# Altium PCB MB1312.PcbDoc (part 3 of 4)
Units mil, origin at the board's own origin, x right, y up, seen from the top; angles counter-clockwise.
Board outline 2755.91 x 5249.6 mil, 6 copper layers (Top Layer, GND, Signal, PWR, GND (Mid2), Bottom Layer), stack 74.545 mil thick; 297 components, 280 nets, 1142 pads, 623 vias.
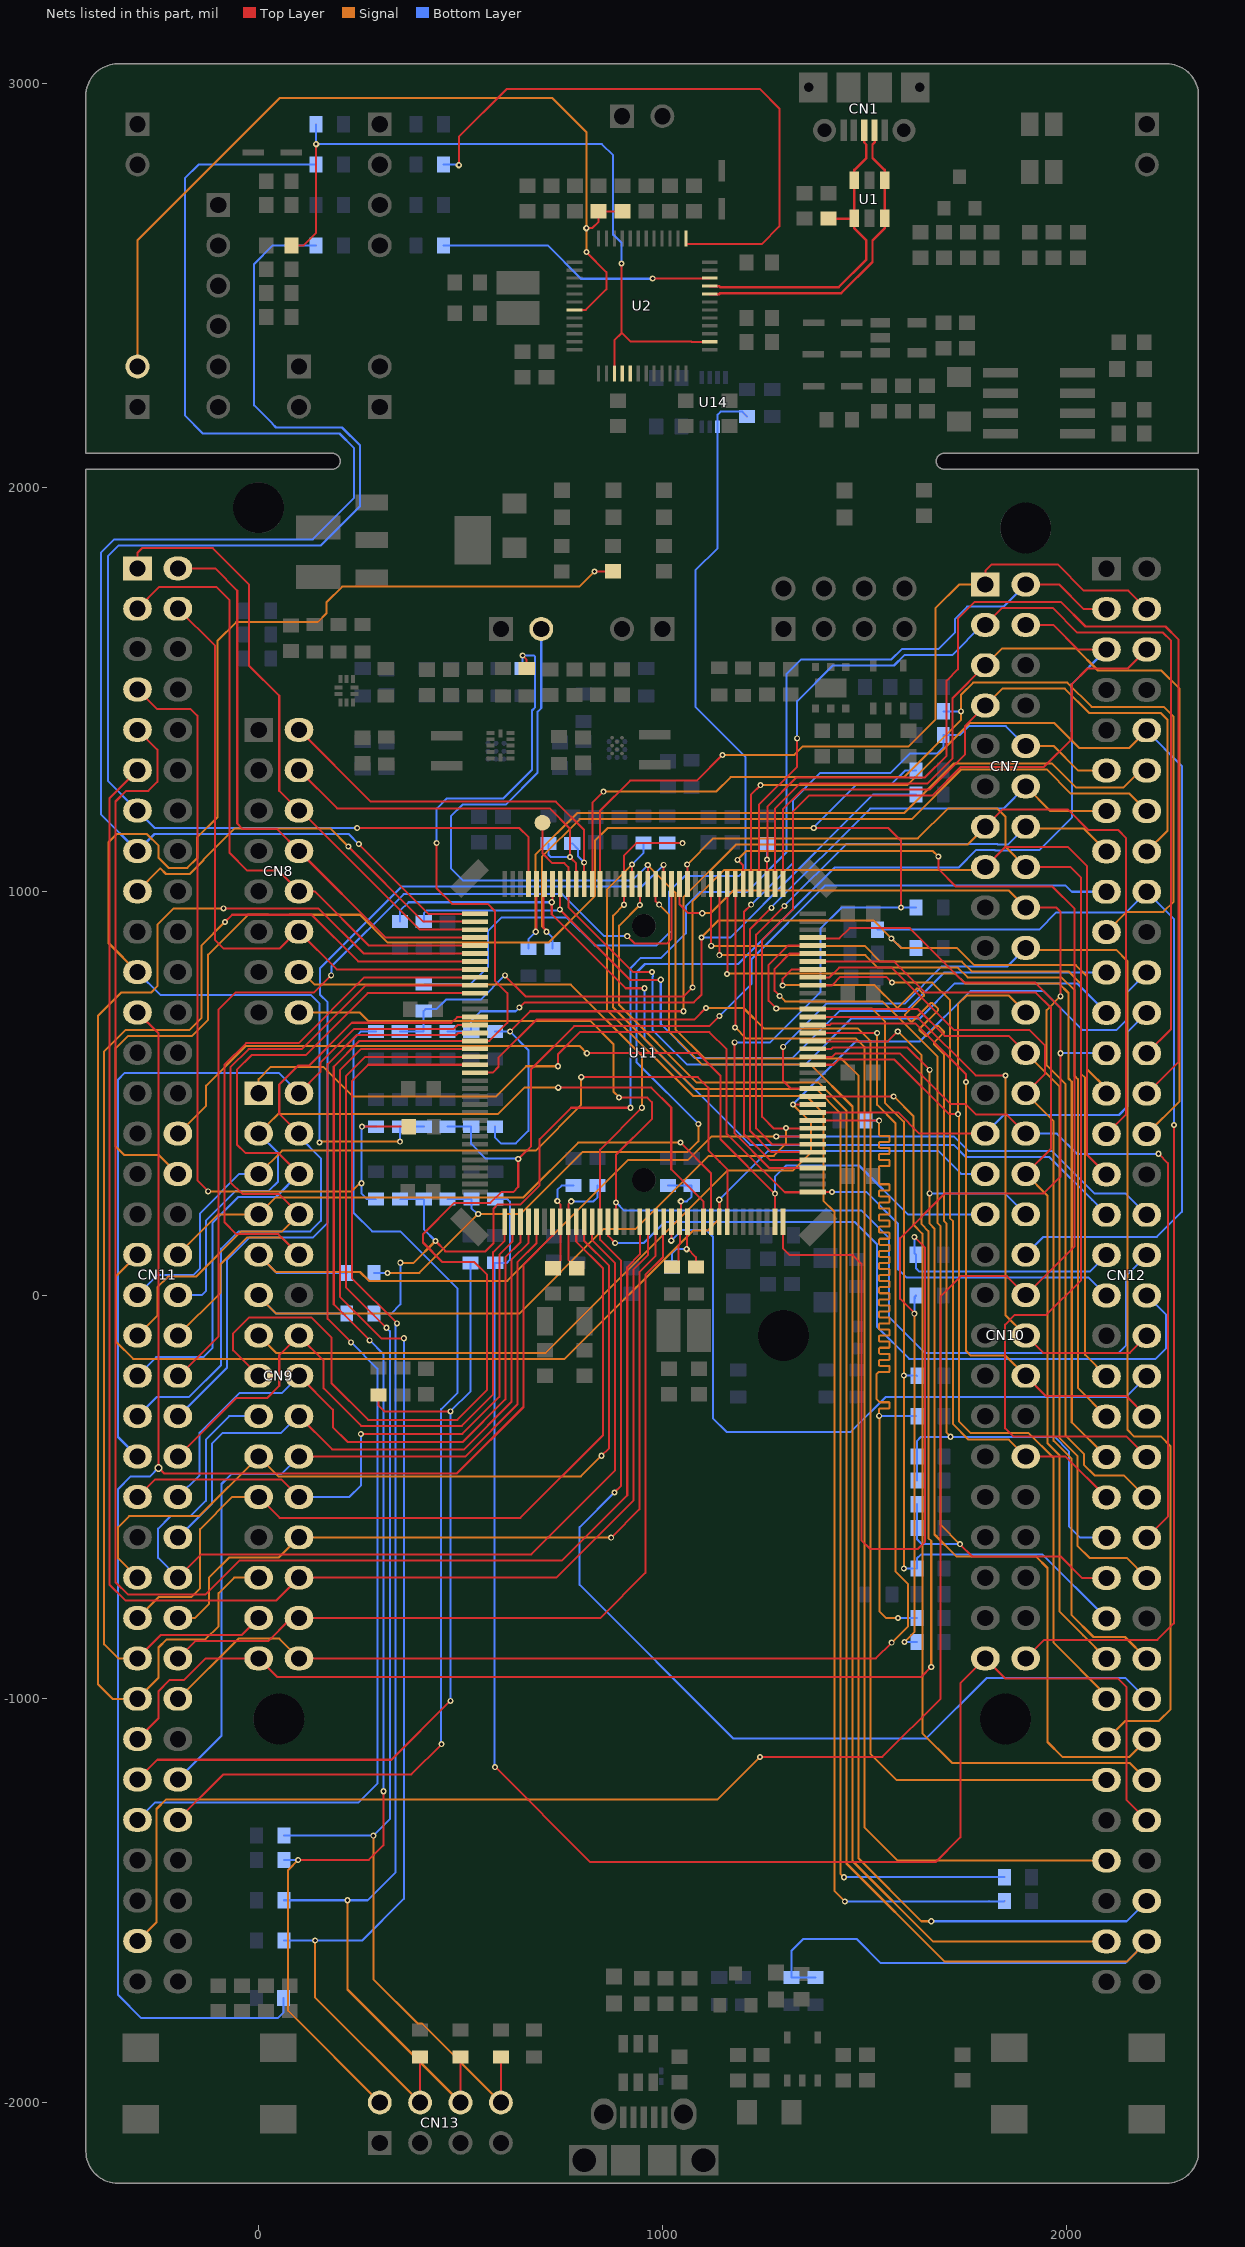
[diagram p7: the nets of this part, all layers, seen from the top]

## Via types
v1: diameter 15, hole 8, Top Layer to Bottom Layer, tented both sides, 405 vias
v2: diameter 16, hole 8, Top Layer to Bottom Layer, tented both sides, 179 vias
v3: diameter 20, hole 12, Top Layer to Bottom Layer, tented both sides, 39 vias

## Nets (pads, with @x,y where several pads share a name; then routed paths per layer and width w, separated by ;. In a path a pad name is that pad's centre, name@x,y a point inside that pad or via, vN(x,y) a via of type N, cw(c..) or ccw(c..) an arc to the next point about the centre after c; other vN are vias at no path point) (continued)
PA1: CN10.11 CN11.30 U11.35 | length 2548.5
  Top Layer w5: v2@813.19,600 1087,600 1144,543 1144,386 1278.71,251.3 v1(1278.71,251.1) ; 1270,259.61 v1@1278.51,251.1 ; U11.35@1278.8,181.69 1278.8,251.2 v1(1278.71,251.1) ; v1@1278.51,251.1 v1(1278.71,251.1) ; v1@1278.51,251.1 1278.61,251 v1(1278.71,251.1)
  Signal w5: CN11.30@-200,400 -199.04,400 -130,469.04 -130,518.57 -31.62,616.95 -25.15,616.95 795.24,616.95 v2(813.19,599)
  Bottom Layer w5: v1(1278.71,251.1) 1278.71,292.71 1307,321 1487,321 1608,200 CN10.11@1800,200
PA2: CN12.35 SB150.1 U11.36 | length 2473.3
  Top Layer w5: U11.36@1298.49,181.69 1298.49,115.92 1315.41,99 1472,99 1493,78 1493,-607 1515,-629 1633,-629 1651,-611 1651,117 v1(1624,144)
  Bottom Layer w5: v1(1624,144) 1624,104.25 SB150.1@1628.25,100 1628.25,66.75 1628.51,66.49 ; 1628.25,66.22 1636.5,57.97 2058.97,57.97 CN12.35@2100,99
PA3: CN9.1 CN12.37 U11.37 | length 2725.3
  Top Layer w5: v1(741.5,566.79) 741.5,597.03 795.85,651.38 1116.62,651.38 1159,609 1159,399.28 1303.59,254.7 1371.49,254.7 U11.37@1372.31,255.51 v1(1419.99,255.51) v1@1421,254.5
  Signal w5: CN9.1@0,500 0,535 30.47,565.47 160.53,565.47 234.27,491.73 587.73,491.73 662.79,566.79 v1(741.5,566.79) ; v1@743.25,565.04 v1@745,566.79
  Bottom Layer w5: v1(1419.99,255.51) 1504.49,255.51 1584,176 1584,63.97 1605,42.97 2056.03,42.97 CN12.37@2100,-1
PA4: CN11.32 SB126.1 SB133.1 U11.40 | length 4453.9
  Top Layer w5: v1(1179,626) 1179,400.5 1264.8,314.7 1372.18,314.7 U11.40@1372.31,314.57 ; v1(1375,1157) 1559,1157 1591,1125 v1(1591,960)
  Signal w5: CN11.32@-200,300 -247,347 -332.94,347 -354,368.06 -354,611.34 -323.31,642.03 -164.76,642.03 -125,681.79 -125,843 -25.97,942.03 23.31,942.03 ; 23.34,942 76.66,942 ; 76.69,942.03 250.97,942.03 320,873 717.87,873 833,988.13 833,1125.53 864.47,1157 v1(1375,1157)
  Bottom Layer w5: v1(1179,626) 1267,626 1391.25,750.25 1391.25,907.25 1444,960 v1(1591,960) SB133.1@1628.25,960 ; v1(1375,1157) 1375,1158.76 1480.24,1264 1566,1264 1601,1299 SB126.1@1628.25,1299
PA5: CN7.10 CN12.11 SB123.2 U11.41 | length 1989.7
  Top Layer w5: v1(1220,967) 1202.1,949.1 1202.1,398.86 1266.71,334.25 U11.41@1372.31,334.25
  Signal w5: CN7.10@1900,1360 1969,1360 2030,1299 CN12.11@2100,1299
  Bottom Layer w5: v1(1220,967) 1323,1070 1323,1225 1391.5,1293.5 1565.5,1293.5 1613,1341 1680,1341 1695.75,1356.75 SB123.2@1695.75,1387 1737,1387 1759,1409 1851,1409 CN7.10@1900,1360
PA6: CN7.12 CN12.13 U11.42 | length 1731.9
  Top Layer w5: v1(1270.13,959.13) 1217.1,906.1 1217.1,406.9 1270.06,353.94 U11.42@1372.31,353.94
  Signal w5: CN7.12@1900,1260 1961,1199 CN12.13@2100,1199
  Bottom Layer w5: v1(1270.13,959.13) 1270.13,960.42 1514.72,1205 1845,1205 CN7.12@1900,1260
PA7: CN7.14 CN12.15 U11.43 | length 1646.6
  Top Layer w5: v1(1302,964) 1303.28,964 1232.1,892.82 1232.1,413.11 1272.21,373 1372.31,373 U11.43@1372.31,373.62
  Signal w5: CN7.14@1900,1160 1900,1155.6 2043.4,1155.6 CN12.15@2100,1099
  Bottom Layer w5: v1(1302,964) 1455.03,1117.03 1829.53,1117.03 1830.05,1116.51 1856.51,1116.51 CN7.14@1900,1160
PA8: CN12.23 TP1.1 U11.100 | length 1944.9
  Top Layer w5: TP1.1@703,1170 703,1094 727,1070 757,1070 766.99,1060.01 U11.100@766.99,1018.31 766.99,961.01 928,800 v1(974,800)
  Bottom Layer w5: v1(974,800) 976.9,797.1 976.9,790.18 976,789.28 976,656.26 1061.26,571 1354,571 1468,685 1637.31,685 1724.31,772 2027,772 CN12.23@2100,699
PA9: CN12.21 SB135.2 U11.101 | length 2085.1
  Top Layer w5: U11.101@747.31,1018.31 746,1017 v1(746,955) 921,780 995,780 v1(996,781) v1@995,782
  Bottom Layer w5: SB135.2@409,925.75 409,946 416,953 744,953 v1(746,955) ; v1(996,781) 996,672 1080.9,587.1 1322.1,587.1 1439,704 1603.21,704 1698.21,799 CN12.21@2100,799
PA10: CN12.33 SB134.2 U11.102 | length 2244.8
  Top Layer w5: U11.102@727.62,1018.31 727.62,973.62 727,973 v1(726,973) 726,942.79 908.79,760 v1(956,760)
  Bottom Layer w5: SB134.2@350,925.75 350,951.57 371.43,973 v1(726,973) ; v1(956,760) 956,633.5 1217.4,372.1 1721.83,372.1 1751.9,342.03 1958.76,342.03 2064.79,236 2065,236 2100,201 CN12.33@2100,199
PA11: CN12.14 SB142.2 U11.103 | length 1991
  Top Layer w5: U11.103@707.94,1018.31 706,1016.37 706,909.27 713,902.27 v2(713,900)
  Signal w5: v2(713,900) 713,902.27 701.28,913.99 701.28,1085.26 795.03,1179 1617.97,1179 1741,1302.03 1951.97,1302.03 2012.03,1241.97 2157.03,1241.97 CN12.14@2200,1199
  Bottom Layer w5: v2(713,900) 728,885 SB142.2@728,858.5
PA12: CN12.12 SB143.2 U11.104 | length 2008.9
  Top Layer w5: v2(686.28,900) 688.25,901.97 U11.104@688.25,1018.31
  Signal w5: v2(686.28,900) 686.28,1091.47 788.81,1194 1599.34,1194 1722.37,1317.03 1964.97,1317.03 2025.03,1256.97 2142.03,1256.97 2184.06,1299 CN12.12@2200,1299
  Bottom Layer w5: SB143.2@668.57,858.5 668.57,882.28 v2(686.28,900)
PA13: CN11.13 SB106.1 U11.105 | length 3423.8
  Top Layer w5: v1(244,1157) 646,1157 668.57,1134.43 U11.105@668.57,1018.31
  Bottom Layer w5: -229.55,1157 -257,1157 CN11.13@-300,1200 -373,1273 -373,1830.85 -346.82,1857.03 154.47,1857.03 251,1953.56 251,2104.46 206.46,2149 42.9,2149 34,2157.9 ; -229.53,1157.03 -170.47,1157.03 ; -170.45,1157 -29.55,1157 ; -29.53,1157.03 29.53,1157.03 ; 29.55,1157 70.45,1157 ; 34,2159 -11,2204 -11,2554 35,2600 SB106.1@142.25,2600 ; 70.47,1157.03 129.53,1157.03 ; 129.55,1157 v1(244,1157)
PA14: CN11.15 SB102.1 U11.109 | length 3897.3
  Top Layer w5: v1(248.03,1117) 420.54,944.49 U11.109@535.69,944.49
  Bottom Layer w5: -223.34,1142 -258,1142 CN11.15@-300,1100 -390.9,1190.9 -390.9,1838.76 -357.63,1872.03 134.03,1872.03 236,1974 236,2098.25 200.25,2134 -138,2134 -183,2179 -183,2766 -149,2800 SB102.1@142.25,2800 ; -223.31,1142.03 -176.69,1142.03 ; -176.66,1142 -23.34,1142 ; -23.31,1142.03 23.31,1142.03 ; 23.34,1142 76.66,1142 ; 76.69,1142.03 123.31,1142.03 ; 123.34,1142 223.03,1142 v1(248.03,1117)
PA15: CN11.17 U11.110 | length 1008.4
  Top Layer w5: v1(222,1111) 408.2,924.8 U11.110@535.69,924.8
  Signal w5: CN11.17@-300,1000 -243.28,1056.72 -229.53,1042.97 -170.47,1042.97 -137.07,1076.38 -137.07,1077.93 -59,1156 177,1156 v1(222,1111)
PB0: SB144.2 SB159.1 SB182.1 U11.46 | length 2583.2
  Top Layer w5: U11.46@1372.31,432.68 1536.32,432.68 v1(1537,432)
  Signal w5: v1(1537,-299) 1537,-282 1538.5,-280.5 1561.5,-280.5 1563,-279 1563,-267 1561.5,-265.5 1538.5,-265.5 1530,-257 1530,-196 1535.5,-190.5 1561.5,-190.5 1563,-189 1563,-177 1561.5,-175.5 1538.5,-175.5 1537,-174 1537,-162 1538.5,-160.5 1561.5,-160.5 1563,-159 1563,-147 1561.5,-145.5 1538.5,-145.5 1537,-144 1537,-132 1538.5,-130.5 1561.5,-130.5 1563,-129 1563,-117 1561.5,-115.5 1538.5,-115.5 1537,-114 1537,-102 1538.5,-100.5 1561.5,-100.5 1563,-99 1563,-87 1561.5,-85.5 1538.5,-85.5 1537,-84 1537,-72 1538.5,-70.5 1561.5,-70.5 1563,-69 1563,-57 1561.5,-55.5 1538.5,-55.5 1537,-54 1537,-42 1538.5,-40.5 1561.5,-40.5 1563,-39 1563,-27 1561.5,-25.5 1538.5,-25.5 1537,-24 1537,-12 1538.5,-10.5 1561.5,-10.5 1563,-9 1563,3 1561.5,4.5 1538.5,4.5 1537,6 1537,18 1538.5,19.5 1561.5,19.5 1563,21 1563,33 1561.5,34.5 1538.5,34.5 1537,36 1537,48 1538.5,49.5 1561.5,49.5 1563,51 1563,63 1561.5,64.5 1538.5,64.5 1537,66 1537,78 1538.5,79.5 1561.5,79.5 1563,81 1563,93 1561.5,94.5 1538.5,94.5 1537,96 1537,108 1538.5,109.5 1561.5,109.5 1563,111 1563,123 1561.5,124.5 1538.5,124.5 1537,126 1537,138 1538.5,139.5 1561.5,139.5 1563,141 1563,153 1561.5,154.5 1538.5,154.5 1537,156 1537,168 1538.5,169.5 1561.5,169.5 1563,171 1563,183 1561.5,184.5 1538.5,184.5 1537,186 1537,198 1538.5,199.5 1561.5,199.5 1563,201 1563,213 1561.5,214.5 1538.5,214.5 1537,216 1537,228 1538.5,229.5 1561.5,229.5 1563,231 1563,243 1561.5,244.5 1538.5,244.5 1537,246 1537,258 1538.5,259.5 1561.5,259.5 1563,261 1563,273 1561.5,274.5 1538.5,274.5 1537,276 1537,318 1538.5,319.5 1561.5,319.5 1563,321 1563,333 1561.5,334.5 1538.5,334.5 1537,336 1537,348 1538.5,349.5 1561.5,349.5 1563,351 1563,363 1561.5,364.5 1538.5,364.5 1537,366 1537,378 1538.5,379.5 1561.5,379.5 1563,381 1563,393 1561.5,394.5 1538.5,394.5 1537,396 v1(1537,432) ; v1@1538,-299 1538,-784 1554.21,-800.21 v1(1583.79,-800.21)
  Bottom Layer w5: SB144.2@1504.75,433 1505.75,432 v1(1537,432) ; v1(1537,-299) 1623.25,-299 1625.25,-297 SB159.1@1628.25,-300 ; v1@1583.79,-800 SB182.1@1630.25,-800
PB1: CN10.7 CN12.24 U11.47 | length 1081
  Top Layer w5: U11.47@1372.31,452.36 1584.29,452.36 1636.66,400 CN10.7@1800,400
  Bottom Layer w5: CN10.7@1800,400 1846,446 2131,446 2152,467 2152,651 CN12.24@2200,699
PB2: CN9.13 CN12.22 U11.48 | length 2910.1
  Top Layer w5: v1(1323.31,472.05) U11.48@1372.31,472.05
  Signal w5: CN9.13@0,-100 43,-143 70.45,-143 ; 70.47,-142.97 129.53,-142.97 ; 129.55,-143 711.28,-143 850,-4.28 850,-3 1162,309 1324,309 1368.36,353.36 1368.36,426.99 v1(1323.31,472.05)
  Bottom Layer w5: v1(1323.31,472.05) 1479.26,628 1638,628 1763.38,753.38 1943.26,753.38 2039.67,656.97 2124.97,656.97 2150,682 2150,749 CN12.22@2200,799
PB3: CN7.15 CN12.31 SB141.2 SB161.2 SB162.2 | length 2877.4
  Top Layer w5: v1(610,792) 610,791 661,740 1053,740 v1(1075,762) ; CN7.15@1800,1060 1850,1110 2004,1110 2052.07,1061.93 2052.07,346.93 CN12.31@2088,311
  Signal w5: v1(1075,762) 1075,975 1153,1053 1793,1053 CN7.15@1800,1060
  Bottom Layer w5: SB161.2@349.53,652.5 SB162.2@408.53,652.48 408.53,703.25 413.28,708 440,708 464,732 550,732 v1(610,792) v1@609,793
PB4: CN12.27 SB128.1 SB140.1 SB163.2 SB164.2 | length 2916.1
  Top Layer w5: v1(645.6,712) 658.6,725 1077.87,725 1097,744.13 v1(1097,886)
  Signal w5: v1(1097,886) 1139,928 1523,928 1567,884 v1(1567,883) 1568,883 1591,860 1729,860 1772,817 2024,817 2051.8,789.2 2051.8,559.81 2100,511.61 CN12.27@2100,499
  Bottom Layer w5: SB164.2@467.53,652.75 SB163.2@526.53,652.75 526.53,679.42 550.11,703 636.6,703 v1(645.6,712) ; v1(1097,886) 1169,886 1250.13,967.13 1250.13,967.42 1522.72,1240 SB128.1@1628.25,1240 ; v1(1567,883) 1568,883 1591,860 SB140.1@1628.25,860 ; CN12.27@2100,499 CN12.27@2100,501
PB5: CN7.13 CN12.29 SB165.2 SB176.2 | length 3133
  Top Layer w5: v1(623,653) 623,653.5 672.5,703 v1(1052,703) ; CN7.13@1800,1160 1842.95,1202.95 1986.15,1202.95 2004.05,1202.95 2055,1152 2129,1152 2148.97,1132.03 2148.97,447.97 CN12.29@2100,399
  Signal w5: v1(1052,703) 1052,984.91 1183.09,1116 1756,1116 CN7.13@1800,1160
  Bottom Layer w5: SB176.2@585.3,418 585.3,390.7 600,376 637,376 668,407 668,607 623,652 v1(623,653) 585.78,653 SB165.2@585.53,652.75
PB6: CN9.15 CN12.17 SB174.2 SB175.2 | length 3959.7
  Top Layer w5: CN9.15@0,-200 -63,-137 -63,-95 -23,-55 130,-55 181,-106 181,-219 271,-309 492,-309 566,-235 566,49.82 533.82,82 455.17,82 407,130.17 407,151 484.15,228.15 574.09,228.15 601.14,255.2 630.3,255.2 643,267.89 v1(643,337) 675,369 675,559.98 781.4,666.38 1116.38,666.38 v1(1141,691)
  Signal w5: CN12.17@2096.97,1002.03 CN12.17@2100,999
  Bottom Layer w5: SB174.2@468,417 526.03,417 526.53,417.5 526.53,374.47 563,338 642,338 v1(643,337) ; v1(1141,691) 1221,771 1221,832.34 1402.66,1014 1999.1,1014 2014.1,999 CN12.17@2100,999
PB7: CN11.21 R30.1 SB172.2 SB173.2 | length 3392.2
  Top Layer w5: v1@832.03,1792.5 R30.1@878,1792.5
  Signal w5: CN11.21@-300,800 -372,872 -372,1122 -351.97,1142.03 -276.69,1142.03 -247.93,1113.27 -247.93,1082.59 -223.31,1057.97 -176.69,1057.97 -152.07,1082.59 -152.07,1133.93 -102,1184 -102,1621 -56,1667 146,1667 168,1689 168,1716 206.74,1754.74 794.26,1754.74 v1(832,1792.47) ; v1(151,378) 154,378 156,380 v1(350,380)
  Bottom Layer w5: CN11.21@-300,800 -242.97,742.97 130.03,742.97 151,722 v1(151,378) ; v1(350,380) SB172.2@350,417 SB173.2@409,417
PB8: CN7.2 CN12.3 SB153.2 SB181.2 SB184.2 | length 3487.5
  Top Layer w5: v1(438,134) 463.86,108.14 ; 462.14,108.14 463.86,108.14 ; v1(921,464) 774,464 696,386 696,271.89 648.79,224.67 592.39,224.67 581.72,214 581.72,128 561.86,108.14 463.86,108.14 ; CN7.2@1900,1760 1983,1760 2044,1699 CN12.3@2100,1699
  Signal w5: v1(351,80) 384,80 v1(438,134)
  Bottom Layer w5: SB153.2@285,-45.25 SB153.2@285.75,-46 328,-46 351,-23 v1(351,80) ; SB184.2@350,238 SB181.2@409,238 409,163 v1(438,134) ; v1@921.37,461 921,461.37 v1(921,464) 921,810 946,835 997,835 1058,896 1058,963.53 1092.47,998 1209,998 1307.2,1096.2 1307.2,1537.26 1344.44,1574.5 1567.49,1574.5 1592.99,1600 1683,1600 1725,1642 1725,1675 1755,1705 1845,1705 CN7.2@1900,1760
PB9: CN7.4 CN12.5 SB151.2 SB185.2 SB186.2 | length 3440.2
  Top Layer w5: CN7.4@1900,1660 1968,1660 2029,1599 CN12.5@2100,1599
  Signal w5: v1(319,55) 398,55 v1(544,201) 648.72,201 801.72,354 1062.06,354 1089,380.94 v1(1089,424)
  Bottom Layer w5: SB151.2@285.75,55 v1(319,55) ; SB186.2@468,238 SB185.2@527,238 527,215.22 541.22,201 v1(544,201) ; v1(1089,424) 936,577 936,799 957,820 1187.44,820 1426.44,1059 1733.66,1059 1776.69,1102.03 1823.31,1102.03 1823.84,1101.51 1862.72,1101.51 1863.82,1102.61 1934.61,1102.61 2015.1,1183.1 2015.1,1394.41 2014,1395.51 2014,1513 CN12.5@2100,1599
PB10: CN12.25 SB155.1 SB188.2 U11.69 | length 2802.2
  Top Layer w5: U11.69@1372.31,885.43 1374.24,883.5 1438.5,883.5 1464,909 1613,909 1748,774 1923.72,774 1986,711.72 v1(1986,599) 1986,293 1945,252 1700,252 1589,141 1589,-9.34 v1@1624.83,-45.17
  Signal w5: v1(1599.9,-859) 1624,-834.9 v1(1624,-46)
  Bottom Layer w5: v1(1599.9,-859) SB188.2@1630.25,-859 ; v1(1624,-46) 1624,-9.25 1626,-7.25 1624,-5.25 SB155.1@1628.25,-1 ; v1(1986,599) CN12.25@2100,599
PB11: CN10.34 CN12.18 SB138.2 | length 2949
  Top Layer w5: CN10.34@1900,-900 1946,-854 2226.03,-854 2267,-813.03 v1(2267,421)
  Bottom Layer w5: SB138.2@1532.75,905 1933,905 1976,948 2149,948 CN12.18@2200,999 2267,932 v1(2267,421)
PB12: CN7.7 CN12.16 U11.73 | length 1681.6
  Top Layer w5: U11.73@1298.49,1018.31 1298.5,1203.5 1347,1252 1662.31,1252 1750,1339.69 1750,1410 CN7.7@1800,1460
  Signal w5: CN7.7@1800,1460 1842.03,1502.03 1996.76,1502.03 2056.81,1441.97 2233.81,1441.97 2251.2,1424.59 2251.2,1150.2 CN12.16@2200,1099
PB13: CN7.5 CN12.30 U11.74 | length 2632.3
  Top Layer w5: U11.74@1278.8,1018.31 1279.12,1018.62 1279.12,1205.33 1340.79,1267 1656.1,1267 1719,1329.9 1719,1479 CN7.5@1800,1560 ; CN12.30@2200,399 CN12.30@2206.74,399
  Signal w5: CN7.5@1800,1560 1842.03,1602.03 1923.31,1602.03 ; 1923.34,1602 2024,1602 2079,1547 2236,1547 2281.2,1501.8 2281.2,480.2 CN12.30@2200,399
  Bottom Layer w5: CN12.30@2200,399 CN12.30@2206.74,399
PB14: CN12.28 SB132.1 U11.75 | length 2849.7
  Top Layer w5: U11.75@1259.12,1018.31 v1(1259.12,1079.19) ; v1@1259.93,1079.19 1259.93,1209.93 1332,1282 1649.89,1282 1704,1336.11 1704,1521.75 1732,1549.75 1732,1675 1774.03,1717.03 1986.97,1717.03 2048,1656 2070.45,1656 ; 2070.47,1656.03 2246.19,1656.03 2278,1624.21 2278,577 CN12.28@2200,499
  Bottom Layer w5: v1(1259.12,1079.19) 1259.12,1117.12 SB132.1@1261,1119 SB132.1@1261,1130.25
PB15: CN7.3 CN12.26 U11.76 | length 2596.3
  Top Layer w5: U11.76@1239.43,1018.31 1239.12,1018.62 1239.12,1214.12 1334,1309 v1(1334,1379) v1@1334,1381 ; CN7.3@1800,1660 1842.03,1702.03 1966.87,1702.03 2027.9,1641 2076.66,1641 ; 2076.69,1641.03 2239.97,1641.03 2260,1621 2260,659 CN12.26@2200,599
  Bottom Layer w5: v1(1334,1379) 1334,1471 1422.5,1559.5 1573.7,1559.5 1599.2,1585 1717.79,1585 1792.79,1660 CN7.3@1800,1660
PC0: CN9.3 CN11.38 U11.26 | length 1976.5
  Top Layer w5: v2(742,514) 972.6,514 1022,464.6 1022,311.5 1101.64,231.86 U11.26@1101.64,181.69
  Signal w5: 24.17,424.17 48,448 592,448 658,514 v2(742,514)
  Bottom Layer w5: CN11.38@-200,0 -141,0 -130,11 -130,185 -57.03,257.97 24.97,257.97 47.93,280.93 47.93,352.07 CN9.3@0,400
PC1: CN9.7 CN11.36 U11.27 | length 1587.5
  Top Layer w5: v1(1045,377.59) 1120.5,302.09 1120.5,182.52 U11.27@1121.32,181.69
  Signal w5: CN11.36@-200,100 -100,200 CN9.7@0,200 41.9,241.9 76.56,241.9 76.69,242.03 656.03,242.03 791.59,377.59 v1(1045,377.59)
PC2: CN10.9 CN11.35 U11.28 | length 2734.8
  Top Layer w5: U11.28@1141,181.7 v2(1141,236)
  Signal w5: CN11.35@-300,100 -352.8,47.2 -352.8,-116.2 -311.03,-157.97 -276.69,-157.97 ; -276.66,-158 -223.34,-158 ; -223.31,-157.97 -176.69,-157.97 ; -176.66,-158 -23.34,-158 ; -23.31,-157.97 23.31,-157.97 ; 23.34,-158 76.66,-158 ; 76.69,-157.97 123.31,-157.97 ; 123.34,-158 757.99,-158 1076,160 1112,160 1141,189 v2(1141,236)
  Bottom Layer w5: v2(1141,236) 1262.1,357.1 1682.9,357.1 1740,300 CN10.9@1800,300 CN10.9@1807.72,300
PC3: CN9.5 CN11.37 U11.29 | length 2120.5
  Top Layer w5: v2(799,540) 1088,540 1114,514 1114,358.79 1142.39,330.39 ; 1142,330 1161.51,310.49 1161.51,230 ; U11.29@1160.69,181.69 1161.5,182.5 1161.5,229.99
  Signal w5: CN9.5@0,300 57.97,357.97 685.97,357.97 799,471 v2(799,540)
  Bottom Layer w5: CN11.37@-300,0 -250.75,49.25 -162.5,49.25 -145,66.75 -145,202.56 -47.56,300 CN9.5@0,300
PC4: CN9.9 CN12.34 SB151.1 U11.44 | length 2783.1
  Top Layer w5: v1(1282,393) 1282.31,393.31 U11.44@1372.31,393.31
  Signal w5: CN9.9@0,100 42.88,57.12 251.12,57.12 273.25,35 616,35 915.73,334.73 1064,334.73 1122.27,393 v1(1282,393)
  Bottom Layer w5: CN9.9@0,100 45.25,54.75 218,54.75 SB151.1@218.25,55 ; v1(1282,393) 1722.14,393 1758.11,357.03 1964.97,357.03 2071,251 2148,251 CN12.34@2200,199
PC5: CN9.11 CN12.6 SB153.1 U11.45 | length 3825.2
  Top Layer w5: v1@1304.82,412.18 1276.52,412.18 1247.1,441.6 1247.1,879.66 1323,955.56 1323,1197 1363,1237 1668.53,1237 1739.5,1307.97 1944.97,1307.97 2014,1377 2014,1513 2053,1552 2153,1552 CN12.6@2200,1599 ; v1@1306.02,412.18 1372.31,412.18 U11.45@1372.31,412.99
  Signal w5: CN9.11@0,0 0,-2.23 43.77,-46 645,-46 855,164 934,164 1115,345 1276,345 1306.02,375.02 v1(1306.02,413.78)
  Bottom Layer w5: CN9.11@0,0 0,-2.23 43.77,-46 SB153.1@218.25,-46
PC6: CN7.1 CN12.4 U11.96 | length 2016.7
  Top Layer w5: U11.96@845.73,1018.31 845,1019.04 845,1199 920,1274 1085,1274 v1(1149,1338) ; CN7.1@1800,1760 1800,1794 1816,1810 1979,1810 2044,1745 2154,1745 CN12.4@2200,1699
  Signal w5: v1(1149,1338) 1327,1338 1348,1359 1610,1359 1677,1426 1677,1702 1735,1760 CN7.1@1800,1760
PC7: CN12.19 SB124.1 U11.97 | length 2535.6
  Top Layer w5: U11.97@826.05,1018.31 826.36,1018.62 826.36,1219.16 v1(853.99,1246.79)
  Signal w5: v1(853.99,1246.79) 1132.79,1246.79 1169,1283 1598.43,1283 1740,1424.57 v1(1740,1446) 1740,1487.5 1769.53,1517.03 2002.97,1517.03 2063.03,1456.97 2241.58,1456.97 2266.2,1432.36 2266.2,974.2 2241,949 2150,949 CN12.19@2100,899
  Bottom Layer w5: SB124.1@1696,1446 v1(1740,1446)
PC8: CN8.2 SB137.1 U11.98 | length 1002.6
  Top Layer w5: CN8.2@100,1400 278,1222 736.3,1222 806.36,1151.94 v1(806.36,1071.42) U11.98@806.36,1018.31
  Bottom Layer w5: SB137.1@776.7,1119 791,1104.7 791,1086.78 v1(806.36,1071.42)
PC9: CN8.4 SB136.1 U11.99 | length 986.4
  Top Layer w5: CN8.4@100,1300 194.67,1205.33 721.31,1205.33 771,1155.64 v1(771,1085) ; v1@775,1081 786.36,1069.64 786.36,1052.31 786.68,1052 U11.99@786.68,1018.31 786.36,1018.62 786.36,1052
  Bottom Layer w5: SB136.1@717.7,1119 717.7,1091.3 724,1085 v1(771,1085)
PC10: CN8.6 CN11.1 U11.111 | length 1526.3
  Top Layer w5: CN11.1@-300,1800 -300,1839 -289,1850 -113.49,1850 -24,1760.51 -24,1559.5 51,1484.5 51,1249 CN8.6@100,1200 103.99,1200 398.87,905.12 U11.111@535.69,905.12